# Altium PCB RFID final_backup.PcbDoc (part 3 of 4)
Units mil, origin at the board's own origin, x right, y up, seen from the top; angles counter-clockwise.
Board outline 3215.77 x 4275.01 mil, 6 copper layers (Top Layer, RF_Ground, Power, Gnd, Routing, Bottom_Gnd), stack 29.392 mil thick; 305 components, 201 nets, 970 pads, 737 vias.
Unrouted connection lines stored in the file: 2.
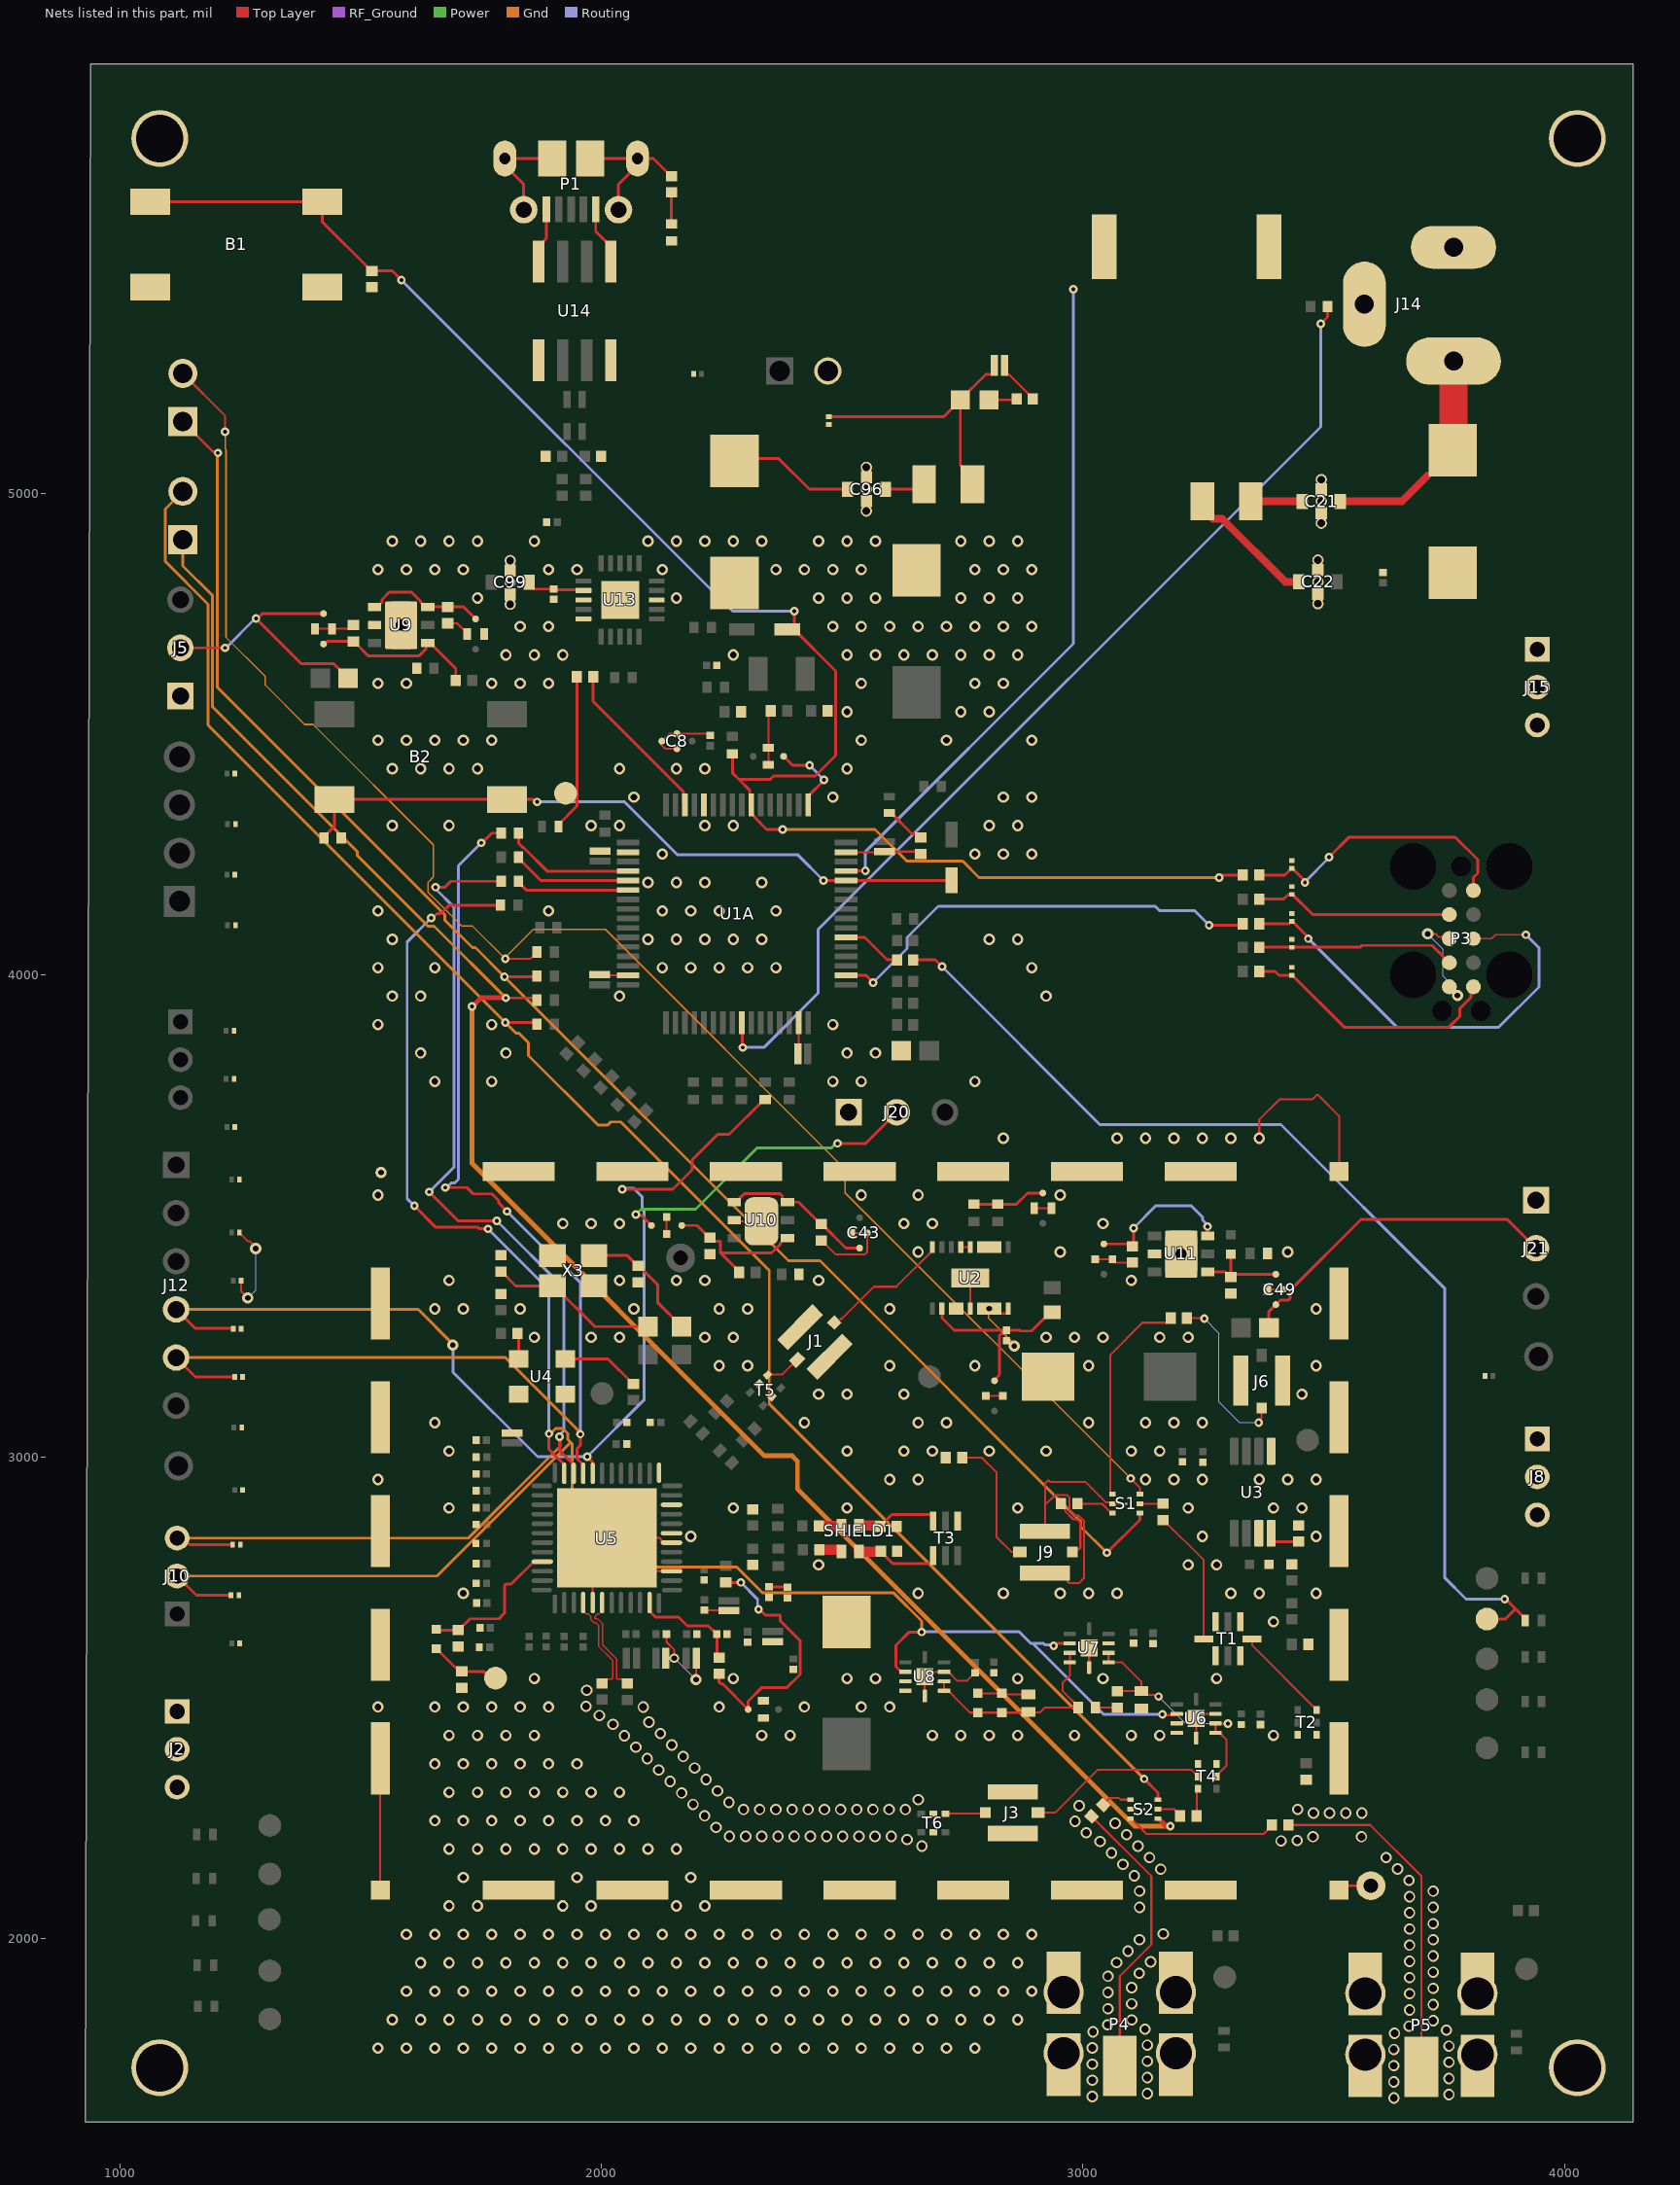
[diagram p7: the nets of this part, all layers, seen from the top]

## Via types
v1: diameter 23.62, hole 13.78, Top Layer to Bottom_Gnd, 278 vias
v2: diameter 17.72, hole 7.87, Top Layer to Bottom_Gnd, tented both sides, 175 vias
v3: diameter 23.62, hole 13.78, Top Layer to Bottom_Gnd, tented both sides, 151 vias
v4: diameter 23.62, hole 15.75, Top Layer to Bottom_Gnd, tented both sides, 124 vias
v5: diameter 23.62, hole 11.81, Top Layer to Bottom_Gnd, tented both sides, 7 vias
v6: diameter 21.65, hole 11.81, Top Layer to Bottom_Gnd, tented both sides, 1 vias
v7: diameter 19.68, hole 11.81, Top Layer to Bottom_Gnd, tented both sides, 1 vias

## Nets (pads, with @x,y where several pads share a name; then routed paths per layer and width w, separated by ;. In a path a pad name is that pad's centre, name@x,y a point inside that pad or via, vN(x,y) a via of type N, cw(c..) or ccw(c..) an arc to the next point about the centre after c; other vN are vias at no path point) (continued)
GND: B1.3 B1.4 BZ1.2 C1.2 C3.2 C6.1 C7.2 C8.1 C8.2 C9.1 C10.1 C11.2 C12.1 C13.1 C14.2 C15.1 C17.1 C18.1 C19.1 C20.2 C21.2 C21.2_1 C21.2_2 C21.2_3 C21.2_4 C22.2 C22.2_1 C22.2_2 C22.2_3 C22.2_4 C23.2 C24.1 C25.1 C26.1 C27.1 C28.1 C29.1 C30.1 C31.1 C32.2 C33.1 C34.1 C38.1 C40.1 C42.1 C43.2 C44.1 C46.1 C48.1 C49.2 C50.1 C52.1 C53.1 C55.1 C56.1 C57.2 C58.1 C59.1 C60.1 C61.1 C62.1 C63.1 C64.1 C66.1 C67.1 C68.1 C69.1 C70.1 C71.1 C72.1 C73.1 C74.1 C75.1 C76.1 C77.1 C78.1 C85.1 C86.1 C87.1 C88.1 C89.1 C90.1 C92.2 C95.1 C96.2 C96.2_1 C96.2_2 C96.2_3 C96.2_4 C98.1 C99.2 C99.2_1 C99.2_2 C99.2_3 C99.2_4 C101.1 C102.1 C103.1 C105.1 C106.2 C110.2 C111.2 D20.1 D21.1 D22.2 D23.2 D24.2 D25.2 D26.2 D27.2 D28.2 D29.2 D30.2 D31.2 D32.2 D33.2 D34.2 D35.2 D36.2 D37.2 D38.2 D45.2 D47.2 D48.2 D49.2 D50.2 D52.2 FB3.2 J1.G1 J1.G2 J2.1 J2.2 J2.3 J3.G1 J3.G2 J5.1 J6.G1 J6.G2 J8.1 J8.2 J8.3 J9.G1 J9.G2 J14.2 J15.1 J15.2 J15.3 J20.1 J21.1 L11.1 L12.1 P3.3 P3.5 P4.S1 P4.S2 P4.S3 P4.S4 P4.S5 P4.S6 P4.S7 P4.S8 P5.S1 P5.S2 P5.S3 P5.S4 P5.S5 P5.S6 P5.S7 P5.S8 pad.2 pad.4 pad.6 pad.9 pad.11 pad.12 pad.13 pad.15 pad.16 pad.17 pad.18 pad.19 pad.31 pad.38 pad.E.P. pad.MH1 pad.MH2 pad.MH3 pad.MH4 R16.1 R22.1 R23.1 R25.1 R26.1 R27.2 R29.2 R31.2 R35.1 R45.1 R81.1 R86.1 R89.1 S1.5 S1.7 S2.5 S2.7 SHIELD1.S1 SHIELD1.S2 SHIELD1.S3 SHIELD1.S4 SHIELD1.S5 SHIELD1.S6 SHIELD1.S7 SHIELD1.S8 SHIELD1.S9 SHIELD1.S10 SHIELD1.S11 SHIELD1.S12 SHIELD1.S13 SHIELD1.S14 SHIELD1.S16 SHIELD1.S17 SHIELD1.S18 SHIELD1.S19 SHIELD1.S20 SHIELD1.S21 SHIELD1.S22 SHIELD1.S23 SHIELD1.S24 SHIELD1.S25 SHIELD1.S26 SHIELD1.S27 SHIELD1.S28 T1.1 T1.3 T1.5 T1.7 T2.3 T2.4 T3.1 T4.3 T4.4 T5.2 T5.5 T6.2 T6.5 U1A.12 U1A.18 U1A.31 U1A.47 U1A.63 U2.3 U2.4 U2.5 U2.6 U2.8 U2.9 U2.10 U2.14 U3.3 U3.5 U4.1 U4.2 U5.5 U5.15 U5.18 U5.19 U5.22 U5.25 U5.49 U6.3 U6.8 U6.9 U6.10 U6.11 U7.3 U7.10 U7.11 U8.3 U8.8 U8.9 U8.10 U8.11 U9.2 U9.E.P. U9.E.P.1 U9.GND_VIA U10.2 U11.2 U11.E.P. U11.E.P.1 U11.GND_VIA U13.3 U13.13 U13.15 U13.21 U14.5 X3.2 X3.4 | length 4522.1
  Top Layer w4.23: D34.2@1247.4,3465.94 1247.4,3464.82 1264.38,3447.84 1268.19,3447.84 1281.48,3434.56 v5(1281.48,3432.48) ; D35.2@1251.14,3365.94 1251.14,3343.86 v5(1265,3330) ; pad.18@1404.53,4719.49 pad.19@1439.96,4719.49 1476.38,4719.49 C40.1@1484.25,4727.36 ; SHIELD1.S9@1540,2099.87 SHIELD1.S10@1540,2373.5 ; C38.1@1680.12,4731.02 1700.08,4731.02 pad.2@1722.44,4708.66 ; U5.5@1981.5,2697.08 1981.5,2801.81 U5.49@2011.02,2831.34 ; C28.1@1996,4001 1997.2,3999.8 U1A.31@2054.88,3999.8 ; SHIELD1.S17@2063.62,3592 SHIELD1.S17@2064,3592 ; C88.1@2133.39,2581.69 v7(2150.59,2581.69) 2150.59,2599.41 2134.61,2615.39 C89.1@2134.61,2631.34 ; pad.13@2135,3462.54 pad.15@2135,3497.97 ; U5.15@2145.28,2762.44 2079.92,2762.44 U5.49@2011.02,2831.34 ; U5.18@2145.28,2821.5 2129,2821.5 2123.5,2827 2123.5,2828.35 2120.51,2831.34 U5.49@2011.02,2831.34 ; C8.2@2156.5,4470.47 2131.89,4470.47 2124.02,4478.35 2124.02,4485.24 C8.1@2125,4486.22 2140.38,4501.6 2156.13,4501.6 C8.2@2156.5,4501.97 2221.46,4501.97 C26.1@2225.39,4498.03 ; v5(2196,2537) 2196.38,2537.38 C86.1@2196.38,2581.69 ; C66.1@2213.31,2681.28 2263.37,2681.28 C67.1@2264.31,2680.35 ; U10.2@2275.88,3491.39 2278.28,3489 pad.E.P.@2332,3489 ; pad.4@2346.46,4438.98 2346.46,4544.29 C9.1@2351.38,4549.21 ; C29.1@2407.64,3836.97 2409.21,3838.54 U1A.47@2409.21,3901.38 ; C42.1@2456.02,3449.33 2457.2,3449.33 2486.68,3419.86 2546.22,3419.86 2551.77,3425.41 2551.77,3461.48 C43.2@2555.13,3464.84 ; U1A.63@2507.64,4255.71 2586.38,4255.71 C31.1@2587.64,4256.97 2657.64,4256.97 R81.1@2662.64,4251.97 ; pad.6@2518.31,3464.84 C43.2@2551.77,3464.84 ; SHIELD1.S19@2536.06,3592 SHIELD1.S19@2536.06,3595.94 ; U8.10@2671.26,2502.95 U8.11@2671.26,2543.31 2681.1,2553.15 U8.3@2711.61,2553.15 2720.28,2553.15 2738.4,2535.03 2759.28,2535.03 2775.43,2551.18 C18.1@2775.63,2551.18 ; T3.1@2739.59,2866 T3.1@2739.59,2878.8 ; U2.10@2746.34,3435.12 U2.9@2766.02,3435.12 ; SHIELD1.S20@2757.55,3592 2821.43,3592 SHIELD1.S20@2839,3609.57 ; U2.4@2766.02,3307.56 U2.14@2766.02,3371.34 ; R35.1@2781.69,2508.7 2831.53,2508.7 R26.1@2831.69,2508.86 2833.9,2506.65 L12.1@2886.69,2506.65 ; pad.11@2798.31,3126.34 pad.12@2833.74,3126.34 ; U2.5@2809.26,3297.47 2805.39,3301.33 v6(2805.39,3307.56) 2815.49,3297.47 2841.56,3297.47 2844.76,3300.67 U2.6@2844.76,3307.56 ; C98.1@2836.71,5267 2836.71,5252.83 2842.08,5247.46 2846.73,5247.46 2896.01,5198.18 R86.1@2896.01,5197 ; C105.1@2841.02,3241.34 2841.22,3241.34 2852.56,3230 v5(2857.24,3230) ; pad.2@2900.75,3516.18 pad.4@2932.24,3516.18 ; J9.G1@2920.95,2758.69 J9.G1@2925,2754.64 ; J9.G2@2920.95,2845.31 2920.95,2899.44 ; SHIELD1.S21@2945.73,3574.43 2963.3,3592 SHIELD1.S21@3008.5,3592 ; J9.G1@2955,2759.09 2967.9,2746.19 2967.9,2740.62 2971.19,2737.33 2991.19,2737.33 3002.2,2748.34 3002.2,2866.58 2991.28,2877.5 2983.14,2877.5 2972.22,2888.42 2972.22,2915.17 2967.4,2919.98 2941.49,2919.98 2920.95,2899.44 ; U7.10@3012.8,2562.01 U7.11@3012.8,2602.36 ; pad.16@3025.59,3410.43 pad.17@3061.02,3410.43 3068.19,3403.27 C46.1@3102.36,3403.27 ; S1.7@3089.57,2902.56 S1.5@3061.02,2902.56 3058.52,2905.06 3047.8,2905.06 3004.86,2948 2932,2948 2929.75,2950.25 2926.57,2950.25 2920.95,2944.63 2920.95,2899.44 ; S2.5@3098.46,2268 S2.7@3127,2268 ; U6.10@3235,2415.65 U6.11@3235,2456 3244.84,2465.84 U6.3@3275.35,2465.84 ; v3(3366.14,3661.42) 3366.14,3700.18 3408.32,3742.36 3476.36,3742.36 3485.25,3751.25 3488.75,3751.25 3532.13,3707.87 SHIELD1.S23@3532.13,3592 ; pad.9@3382.87,3347.44 C49.2@3416.34,3347.44 ; SHIELD1.S1@3532.13,2099.87 3541.25,2109 pad.31@3598,2109 ; v5(3716,4086) 3732.54,4086 3739.16,4079.38 3757.62,4079.38 P3.3@3761,4076 ; P3.5@3761,3976 3761,3975.5 3778,3958.5 v5(3778,3958)
  RF_Ground w1.85: v7(2150.59,2581.69) 2150.95,2581.69 2195.64,2537 v5(2196,2537)
  Gnd w3.14: v6(2805.39,3307.56) 2803.64,3305.81 2803.64,3287.72 2857.24,3234.13 v5(2857.24,3230)
  Routing w1.85: v5(1265,3330) 1281.48,3346.48 v5(1281.48,3432.48) ; v5(3716,4086) 3748.2,4053.8 3748.2,3998.04 3773.83,3972.41 3773.83,3962.17 v5(3778,3958)
  other v1: 1535.43,1771.65 1594.49,1771.65 1653.54,1771.65 1712.6,1771.65 1771.65,1771.65 1830.71,1771.65 1889.76,1771.65 1948.82,1771.65 2007.87,1771.65 2066.93,1771.65 2125.98,1771.65 2185.04,1771.65 2244.09,1771.65 2303.15,1771.65 2362.2,1771.65 2421.26,1771.65 2480.31,1771.65 2539.37,1771.65 2598.42,1771.65 2657.48,1771.65 2716.53,1771.65 2775.59,1771.65 1564.96,1830.71 1624.02,1830.71 1683.07,1830.71 1742.13,1830.71 1801.18,1830.71 1860.24,1830.71 1919.29,1830.71 1978.35,1830.71 2037.4,1830.71 2096.46,1830.71 2155.51,1830.71 2214.57,1830.71 2273.62,1830.71 2332.68,1830.71 2391.73,1830.71 2450.79,1830.71 2509.84,1830.71 2568.9,1830.71 2627.95,1830.71 2687.01,1830.71 2746.06,1830.71 2805.12,1830.71 2864.17,1830.71 1594.49,1889.76 1653.54,1889.76 1712.6,1889.76 1771.65,1889.76 1830.71,1889.76 1889.76,1889.76 1948.82,1889.76 2007.87,1889.76 2066.93,1889.76 2125.98,1889.76 2185.04,1889.76 2244.09,1889.76 2303.15,1889.76 2362.2,1889.76 2421.26,1889.76 2480.31,1889.76 2539.37,1889.76 2598.42,1889.76 2657.48,1889.76 2716.53,1889.76 2775.59,1889.76 2834.64,1889.76 2893.7,1889.76 1624.02,1948.82 1683.07,1948.82 1742.13,1948.82 1801.18,1948.82 1860.24,1948.82 1919.29,1948.82 1978.35,1948.82 2037.4,1948.82 2096.46,1948.82 2155.51,1948.82 2214.57,1948.82 2273.62,1948.82 2332.68,1948.82 2391.73,1948.82 2450.79,1948.82 2509.84,1948.82 2568.9,1948.82 2627.95,1948.82 2687.01,1948.82 2746.06,1948.82 2805.12,1948.82 2864.17,1948.82 1594.49,2007.87 1653.54,2007.87 1712.6,2007.87 1771.65,2007.87 1830.71,2007.87 1889.76,2007.87 1948.82,2007.87 2007.87,2007.87 2066.93,2007.87 2125.98,2007.87 2185.04,2007.87 2244.09,2007.87 2303.15,2007.87 2362.2,2007.87 2421.26,2007.87 2480.31,2007.87 2539.37,2007.87 2598.42,2007.87 2657.48,2007.87 2716.53,2007.87 2775.59,2007.87 2834.64,2007.87 2893.7,2007.87 1683.07,2066.93 1742.13,2066.93 1919.29,2066.93 1978.35,2066.93 2155.51,2066.93 2214.57,2066.93 1712.6,2125.98 1948.82,2125.98 2185.04,2125.98 1683.07,2185.04 1742.13,2185.04 1801.18,2185.04 1860.24,2185.04 1919.29,2185.04 1978.35,2185.04 2037.4,2185.04 2096.46,2185.04 2155.51,2185.04 1653.54,2244.09 1712.6,2244.09 1771.65,2244.09 1830.71,2244.09 1889.76,2244.09 1948.82,2244.09 2007.87,2244.09 2066.93,2244.09 1683.07,2303.15 1742.13,2303.15 1801.18,2303.15 1860.24,2303.15 1919.29,2303.15 1978.35,2303.15 2037.4,2303.15 1653.54,2362.2 1712.6,2362.2 1771.65,2362.2 1830.71,2362.2 1889.76,2362.2 1948.82,2362.2 1683.07,2421.26 1742.13,2421.26 1801.18,2421.26 1860.24,2421.26 2332.68,2421.26 2391.73,2421.26 2687.01,2421.26 2746.06,2421.26 2805.12,2421.26 2864.17,2421.26 2982.28,2421.26 3100.39,2421.26 3159.45,2421.26 3395.67,2421.26 1535.43,2480.31 1653.54,2480.31 1712.6,2480.31 1771.65,2480.31 1830.71,2480.31 1889.76,2480.31 2244.09,2480.31 2421.26,2480.31 2539.37,2480.31 2598.42,2480.31 1860.24,2539.37 2273.62,2539.37 2509.84,2539.37 2568.9,2539.37 2864.17,2539.37 3041.34,2539.37 3277.56,2539.37 3395.67,2657.48 1712.6,2716.53 2657.48,2716.53 2834.64,2716.53 2952.76,2716.53 3011.81,2716.53 3070.87,2716.53 3307.09,2716.53 3366.14,2716.53 3484.25,2716.53 2450.79,2775.59 3218.5,2775.59 3277.56,2775.59 2185.04,2834.64 3248.03,2834.64 3484.25,2834.64 1683.07,2893.7 2273.62,2893.7 2509.84,2893.7 2864.17,2893.7 3218.5,2893.7 3395.67,2893.7 3454.72,2893.7 1535.43,2952.76 2598.42,2952.76 2657.48,2952.76 3129.92,2952.76 3188.98,2952.76 3248.03,2952.76 3366.14,2952.76 3425.2,2952.76 3484.25,2952.76 1683.07,3011.81 2509.84,3011.81 2627.95,3011.81 2687.01,3011.81 2805.12,3011.81 2923.23,3011.81 3100.39,3011.81 3159.45,3011.81 1653.54,3070.87 2421.26,3070.87 2657.48,3070.87 2716.53,3070.87 3011.81,3070.87 3129.92,3070.87 3188.98,3070.87 3248.03,3070.87 2450.79,3129.92 2509.84,3129.92 2627.95,3129.92 3454.72,3129.92 2244.09,3188.98 2303.15,3188.98 2598.42,3188.98 2775.59,3188.98 3011.81,3188.98 3484.25,3188.98 1860.24,3248.03 1978.35,3248.03 2037.4,3248.03 2214.57,3248.03 2273.62,3248.03 2923.23,3248.03 2982.28,3248.03 3041.34,3248.03 3159.45,3248.03 3218.5,3248.03 1653.54,3307.09 1712.6,3307.09 1830.71,3307.09 2066.93,3307.09 2244.09,3307.09 2303.15,3307.09 2598.42,3307.09 3484.25,3307.09 1683.07,3366.14 2037.4,3366.14 2155.51,3366.14 2214.57,3366.14 2450.79,3366.14 3100.39,3366.14 2657.48,3425.2 2952.76,3425.2 3425.2,3425.2 1919.29,3484.25 1978.35,3484.25 2037.4,3484.25 2627.95,3484.25 2687.01,3484.25 3041.34,3484.25 1535.43,3543.31 2539.37,3543.31 2657.48,3543.31 2952.76,3543.31
  other v3: 2834.64,3661.42 3070.87,3661.42 3129.92,3661.42 3188.98,3661.42 3248.03,3661.42 3307.09,3661.42 1653.54,3779.53 1771.65,3779.53 2480.31,3779.53 2539.37,3779.53 2775.59,3779.53 1624.02,3838.58 1801.18,3838.58 2509.84,3838.58 2568.9,3838.58 1535.43,3897.64 1771.65,3897.64 2480.31,3897.64 1564.96,3956.69 1624.02,3956.69 2037.4,3956.69 2923.23,3956.69 1535.43,4015.75 1653.54,4015.75 2125.98,4015.75 2185.04,4015.75 2244.09,4015.75 2303.15,4015.75 2362.2,4015.75 2893.7,4015.75 1564.96,4074.8 2096.46,4074.8 2155.51,4074.8 2214.57,4074.8 2273.62,4074.8 2332.68,4074.8 2805.12,4074.8 2864.17,4074.8 1535.43,4133.86 1889.76,4133.86 2125.98,4133.86 2185.04,4133.86 2244.09,4133.86 2362.2,4133.86 2096.46,4192.91 2155.51,4192.91 2214.57,4192.91 2332.68,4192.91 2125.98,4251.97 2775.59,4251.97 2834.64,4251.97 2893.7,4251.97 1564.96,4311.02 1683.07,4311.02 1978.35,4311.02 2037.4,4311.02 2214.57,4311.02 2273.62,4311.02 2805.12,4311.02 2864.17,4311.02 2066.93,4370.08 2480.31,4370.08 2834.64,4370.08 2893.7,4370.08 1564.96,4429.13 1624.02,4429.13 1683.07,4429.13 1742.13,4429.13 2037.4,4429.13 2155.51,4429.13 2214.57,4429.13 2509.84,4429.13 1535.43,4488.19 1594.49,4488.19 1653.54,4488.19 1712.6,4488.19 1771.65,4488.19 2539.37,4488.19 2716.53,4488.19 2893.7,4488.19 2509.84,4547.24 2746.06,4547.24 2805.12,4547.24 1535.43,4606.3 1594.49,4606.3 1771.65,4606.3 1830.71,4606.3 1889.76,4606.3 2539.37,4606.3 2775.59,4606.3 2834.64,4606.3 1801.18,4665.35 1860.24,4665.35 1919.29,4665.35 2273.62,4665.35 2509.84,4665.35 2568.9,4665.35 2627.95,4665.35 2687.01,4665.35 2746.06,4665.35 2805.12,4665.35 2864.17,4665.35 1830.71,4724.41 1889.76,4724.41 2480.31,4724.41 2539.37,4724.41 2598.42,4724.41 2657.48,4724.41 2716.53,4724.41 2775.59,4724.41 2834.64,4724.41 2893.7,4724.41 1742.13,4783.46 2155.51,4783.46 2450.79,4783.46 2509.84,4783.46 2568.9,4783.46 2746.06,4783.46 2805.12,4783.46 2864.17,4783.46 1535.43,4842.52 1594.49,4842.52 1653.54,4842.52 1712.6,4842.52 1889.76,4842.52 1948.82,4842.52 2125.98,4842.52 2362.2,4842.52 2421.26,4842.52 2480.31,4842.52 2539.37,4842.52 2775.59,4842.52 2834.64,4842.52 2893.7,4842.52 1564.96,4901.57 1624.02,4901.57 1683.07,4901.57 1742.13,4901.57 1860.24,4901.57 2096.46,4901.57 2155.51,4901.57 2214.57,4901.57 2273.62,4901.57 2332.68,4901.57 2450.79,4901.57 2509.84,4901.57 2568.9,4901.57 2746.06,4901.57 2805.12,4901.57 2864.17,4901.57
  other v4: 3646.06,1668.08 3019.4,1671.24 3760.23,1675.1 3133.7,1677.1 3645.67,1701.7 3019.14,1704.86 3760.23,1708.72 3133.7,1710.72 3645.67,1735.32 3019.14,1738.48 3760.23,1742.34 3133.7,1744.34 3645.67,1768.95 3019.14,1772.1 3760.23,1775.96 3133.7,1777.96 3647.13,1802.54 3020.72,1805.69 3754.89,1809.16 3128.7,1811.21 3677.28,1817.43 3051.14,1819.99 3727.48,1828.62 3100.94,1830.19 3678.43,1851.04 3051.89,1853.61 3727.48,1862.24 3100.94,1863.81 3678.43,1884.66 3051.89,1887.23 3727.48,1895.86 3100.94,1897.43 3678.43,1918.28 3051.89,1920.85 3116.78,1927.09 3727.48,1929.48 3069.69,1949.38 3140.55,1950.87 3678.43,1951.9 3727.48,1963.11 3093.47,1973.15 3678.43,1985.52 3117.24,1996.92 3727.48,1996.73 3166.53,2009.08 3678.43,2019.15 3727.48,2030.35 3678.43,2052.77 3117.47,2064.17 3727.48,2063.97 3678.43,2086.39 3117.47,2097.79 3727.48,2097.59 3677.32,2119.99 3106.64,2129.62 3161.42,2143.17 3653.55,2143.77 3082.87,2153.39 3138.17,2167.46 3629.77,2167.54 3059.1,2177.17 2665.32,2191.15 3114.4,2191.23 3035.32,2200.94 3411.39,2202.12 3445.01,2202.71 2634.73,2205.09 2299.11,2211.45 2332.74,2211.45 2366.36,2211.45 2399.98,2211.45 2433.6,2211.45 2467.22,2211.45 2500.85,2211.45 2534.47,2211.45 2568.09,2211.45 2601.71,2211.45 3477.67,2210.71 3578.53,2210.71 2265.49,2211.61 3090.62,2215.01 3006.87,2218.85 2237.55,2230.31 3066.85,2238.78 2983.24,2242.78 2213.78,2254.09 3478.57,2259.76 3512.19,2259.76 3545.81,2259.76 3579.44,2259.76 2294.67,2267.29 2328.29,2267.29 2361.92,2267.29 2395.54,2267.29 2429.16,2267.29 2462.78,2267.29 2496.4,2267.29 2530.03,2267.29 2563.65,2267.29 2597.27,2267.29 2630.89,2267.29 3445.87,2267.59 2992.07,2275.22 2190,2277.86 2264.57,2282.26 2657.69,2287.59 2166.23,2301.64 2240.79,2306.03 2142.45,2325.41 2217.02,2329.81 2118.68,2349.19 2193.24,2353.58 2094.9,2372.96 2169.47,2377.35 2071.13,2396.73 2145.69,2401.13 2047.36,2420.51 2121.92,2424.9 2023.58,2444.28 2098.15,2448.68 1995.42,2462.64 2086.41,2480.18 1967.6,2481.53 1968.95,2515.13
IN_N: C94.2 U5.6 | length 213.9
  Top Layer w3.05: U5.6@2001.18,2697.08 2001.18,2679.78 1994.42,2673.02 1990.68,2673.02 1985.52,2667.87 1985.52,2665.34 1987.92,2662.94 1992.16,2662.94 2001.55,2653.55 2001.55,2609.92 2031.24,2580.24 2031.24,2539.71 2033.03,2537.92 2044.05,2537.92 C94.2@2053.15,2528.82
IN_P: C93.2 U5.4 | length 213.9
  Top Layer w3.05: U5.4@1961.81,2697.08 1961.81,2679.78 1968.58,2673.02 1972.32,2673.02 1977.47,2667.87 1977.47,2662 1984.58,2654.89 1988.83,2654.89 1993.5,2650.22 1993.5,2606.59 2023.19,2576.9 2023.19,2539.71 2021.4,2537.92 2009.38,2537.92 C93.2@2000.98,2529.53
intPA: D2.C intPA.TP? R15.2 | length 2261.3
  Top Layer w5.91: R15.2@2647.64,4031.97 2693.03,4031.97 v2(2707,4018) ; intPA.TP?@3839.17,2662.91 3877.27,2662.91 3898.32,2683.96 ; v2(3876,2704) 3878.27,2704 3898.32,2683.96 ; D2.C@3918.36,2659.96 3918.36,2663.91 3898.32,2683.96
  Routing w5.91: v2(2707,4018) 3035,3690 3411,3690 3751,3350 3751,2749 3796,2704 v2(3876,2704)
intPA_LED: R15.1 U1A.54 | length 125.3
  Top Layer w5.91: U1A.54@2507.64,4078.54 2546.65,4078.54 2593.23,4031.97 R15.1@2613.62,4031.97
IRQ: D36.1 J12.4 R12.1 U5.32 | length 2214.2
  Top Layer w5.91: J12.4@1116.14,3305.94 1155.01,3267.07 1233.75,3267.07 D36.1@1234.88,3265.94 ; v2(1970,3000) 1980.82,2989.18 1980.82,2966.27 U5.32@1981.5,2965.6 ; v2(2043,3555.74) 2147.74,3555.74 2188.14,3596.14 2188.14,3616.56 2241.15,3669.58 2265.13,3669.58 2337.4,3741.85 R12.1@2339.57,3741.85
  Gnd w5.91: J12.4@1116.14,3305.94 1618.94,3305.94 1691,3233.89 v5(1691,3232)
  Routing w5.91: v5(1691,3232) 1691,3176.03 1867.03,3000 v2(1970,3000) 2087.81,3117.81 2087.81,3509.96 2083.97,3513.8 2083.97,3539.84 2065.81,3558 2059.91,3558 2045.26,3558 v2(2043,3555.74)
LF_CEXT: C56.2 R33.2 U5.45 | length 314.2
  Top Layer w5.91: R33.2@1656.99,2641.73 R33.2@1656.5,2641.73 1658.22,2640.01 C56.2@1702,2640.01 1703.18,2640.01 1726.61,2663.44 1786.64,2663.44 1798,2674.8 1798,2732.54 1801.46,2736 1812.7,2736 1858.82,2782.13 U5.45@1876.76,2782.13
LP_FILTER_IN: C109.1 T1.8 | length 282.5
  Top Layer w4.23: C109.1@3166.34,2868.54 3167.52,2868.54 3250.83,2785.24 T1.8@3250.83,2621.77
LP_FILTER_OUT: T1.4 T2.6 | length 203.7
  Top Layer w4.23: T1.4@3351.22,2621.77 3351.22,2608.54 3479.81,2479.96 3480.62,2479.96 3485,2475.57 T2.6@3485,2474
MCU: "MCU OK.TP?" D1.C R14.2 | length 326.8
  Top Layer w5.91: D1.C@1910.43,4309.06 1910.43,4313.01 1948.54,4351.12 R14.2@1948.54,4620.08
"MCU LED": R14.1 U1A.14 | length 344.8
  Top Layer w5.91: R14.1@1982.56,4620.08 1982.56,4568.44 2170.04,4380.96 2170.04,4357.09 U1A.14@2172.99,4354.13
MISO: D24.1 J10.3 R9.1 U5.34 | length 2590.1
  Top Layer w5.91: J10.3@1118.19,2831.02 1130.44,2831.02 1144.18,2817.28 D24.1@1233.19,2817.28 ; v2(1642.02,3549.98) 1702,3490 v2(1782,3490) ; v2(1655.19,4183) 1674.5,4183 1686.78,4195.28 R9.1@1791.34,4195.28 ; v2(1912.59,3041.82) 1912.59,3012.82 1942.13,2983.29 U5.34@1942.13,2965.6
  Gnd w5.91: J10.3@1118.19,2831.02 1723.25,2831.02 1913.38,3021.15 1913.38,3041.04 v2(1912.59,3041.82)
  Routing w5.91: v2(1642.02,3549.98) 1642.13,3549.98 1693.02,3600.87 1693.02,4141.97 1655.19,4179.8 v2(1655.19,4183) ; v2(1782,3490) 1922,3350 1922,3054.42 1912.59,3045.02 v2(1912.59,3041.82)
MOSI: D23.1 J10.2 R11.1 U5.35 U6.7 U7.7 U8.7 | length 4469.1
  Top Layer w5.91: J10.2@1118.19,2752.28 1158.19,2712.28 D23.1@1230.06,2712.28 ; v2(1611,3521) 1655.63,3476.37 1743.16,3476.37 1746.11,3473.42 1763.6,3473.42 v2(1763.83,3473.19) ; v2(1645.78,4119) 1648.98,4119 1657.99,4128.01 1666.01,4128.01 1683.67,4145.67 R11.1@1790.08,4145.67 ; v2(1890.71,3047.92) 1890.71,3015.02 1922.44,2983.29 U5.35@1922.44,2965.6 ; U8.7@2630.91,2553.15 2622.24,2553.15 2611.46,2563.93 2611.46,2608.24 2639.23,2636 v2(2665,2636) ; v2(2939,2607.28) 2942.2,2607.28 2947.12,2612.2 U7.7@2972.44,2612.2 ; v2(3165,2465) 3166.63,2463.37 3195.63,2463.37 3194.65,2464.35 U6.7@3194.65,2465.84
  Gnd w5.91: J10.2@1118.19,2752.28 1657.81,2752.28 1935.54,3030.01 ; v2(1890.71,3047.92) 1893.91,3047.92 1904.62,3058.63 1919.56,3058.63 1929.41,3048.78 1929.41,3036.14 1935.54,3030.01 ; v2(2665,2636) 2665,2658.8 2606.8,2717 2334.77,2717 2280.77,2771 2044,2771 1938.81,2876.19 1938.81,3026.74 1935.54,3030.01
  Routing w5.91: v2(1611,3521) 1596,3536 1596,4069.22 v2(1645.78,4119) ; v2(1763.83,3473.19) 1890.71,3346.3 v2(1890.71,3047.92) ; v2(2665,2636) 2666,2637 2866.92,2637 2891.92,2612 2896.06,2612 ; v2(2939,2607.28) 2937.24,2609.05 2921.28,2609.05 2918.33,2612 2896.06,2612 ; v2(3165,2465) 3043.06,2465 2896.06,2612
NCS: D37.1 J12.5 R7.1 U5.33 | length 2618
  Top Layer w5.91: J12.5@1116.14,3205.94 1156.14,3165.94 D37.1@1238.01,3165.94 ; v2(1675.04,3559.12) 1720.17,3559.12 1733.29,3546 1772,3546 1786.7,3531.3 1786.7,3526.63 v2(1803.67,3509.67) ; v2(1750,4275) 1751.65,4275 1771.93,4295.28 R7.1@1791.34,4295.28 ; v2(1955.62,3047) 1955.62,3023.26 1949,3016.64 1949,2996.1 1961.81,2983.29 U5.33@1961.81,2965.6
  Gnd w5.91: J12.5@1116.14,3205.94 1800.13,3205.94 1948.22,3057.86 1948.22,3057.6 1955.62,3050.2 v2(1955.62,3047)
  Routing w5.91: v2(1675.04,3559.12) 1678.24,3559.12 1687.82,3568.7 1694.7,3568.7 1702.43,3576.43 1702.43,4227.43 v2(1750,4275) ; v2(1803.67,3509.67) 1878.44,3434.89 1883.11,3434.89 1955.62,3362.38 v2(1955.62,3047)
NetB1_1: B1.1 B1.2 C25.2 D9.A R5.1 R61.1 U1A.7 | length 3509.7
  Top Layer w5.91: B1.2@1061.87,5606.58 B1.1@1420.13,5606.58 1420.13,5564.2 1521.46,5462.87 C25.2@1522.64,5462.87 1540.87,5462.87 1541,5463 1565,5463 v2(1584,5444) ; R61.1@2271.65,4460.24 2271.65,4420.35 2285,4407 ; v2(2376,4303) 2342.95,4303 2317.92,4328.04 2317.92,4329.29 2310.79,4336.42 U1A.7@2310.79,4354.13 2307.83,4357.09 2307.83,4384.17 2285,4407 ; D9.A@2385.83,4718.5 D9.A@2390.16,4718.5 ; v2(2400,4756) 2400,4728.35 D9.A@2390.16,4718.5 ; v2(3283,4203) 3286.2,4203 3291.35,4208.15 R5.1@3331.85,4208.15 ; 2285,4407 2350.23,4407 2357.04,4413.81 2443.81,4413.81 2486.14,4456.14 2486.14,4631.97 2399.61,4718.5 D9.A@2390.16,4718.5
  Gnd w5.91: v2(2376,4303) 2568,4303 2634,4237 2750,4237 2784,4203 v2(3283,4203)
  Routing w5.91: v2(1584,5444) 2272,4756 v2(2400,4756)
NetB2_1: B2.1 B2.2 D10.C R16.2 U1A.60 | length 1441
  Top Layer w5.91: R16.2@1423.23,4285.43 1423.23,4287.6 1444.88,4309.25 B2.1@1444.88,4365.16 B2.2@1803.15,4365.16 1857.65,4365.16 1862.8,4360 v2(1866,4360) ; v2(2461,4197) 2461.17,4196.83 2507.46,4196.83 U1A.60@2507.64,4196.65 2726.14,4196.65 D10.C@2727,4197.51
  Routing w5.91: v2(1866,4360) 2048,4360 2158,4250 2408,4250 v2(2461,4197)
NetBZ1_1: BZ1.1 U1A.61 | length 1429
  Top Layer w5.91: U1A.61@2507.64,4216.34 2507.97,4216.67 2547.67,4216.67 v2(2548,4217) ; v2(2980,5425) v2@2981,5426
  Routing w5.91: v2(2548,4217) 2548,4256.7 2980,4688.7 v2(2980,5425)
NetC2_3: C2.3 U1A.1 | length 169.8
  Top Layer w5.91: C2.3@2377.95,4454.72 2396.68,4436 v2(2432,4436) ; U1A.1@2428.9,4354.13 2428.9,4371.85 2462,4404.95 v2(2462,4406)
  Routing w5.91: v2(2432,4436) v2(2462,4406)
NetC4_2: C4.2 L15.1 | length 47.6
  Top Layer w5.91: L15.1@2494,2807 L15.1@2498,2803
  Top Layer w21.65: C4.2@2452.01,2807 L15.1@2494,2807
NetC5_2: C5.2 L10.2 | length 47.4
  Top Layer w5.91: L10.2@2497,2856 L10.2@2498,2857
  Top Layer w21.65: C5.2@2451.01,2856 L10.2@2497,2856
NetC6_2: C6.2 L15.2 T3.4 | length 179.6
  Top Layer w5.91: C6.2@2579.99,2804 2579.99,2802.82 2605.22,2777.59 2606.03,2778.4 2684.47,2778.4 2688.41,2782.34 T3.4@2688.41,2795.13
  Top Layer w21.65: L15.2@2534.22,2803 C6.2@2578.99,2803
NetC7_1: C7.1 L10.1 T3.3 | length 177.7
  Top Layer w5.91: C7.1@2577,2857 C7.1@2578,2856 ; C7.1@2579,2855 C7.1@2578,2856 ; T3.3@2688.41,2866 2688.41,2876.06 2684.47,2880 2602.82,2880 2578.82,2856 C7.1@2578,2856
  Top Layer w21.65: L10.1@2534.22,2857 C7.1@2577,2857
NetC12_2: C12.2 C14.1 | length 38.4
  Top Layer w5.91: C12.2@2348,2730.13 2348.53,2729.59 2385.47,2729.59 C14.1@2386,2729.06
NetC13_2: C13.2 FB5.1 U5.11 | length 227.7
  Top Layer w5.91: U5.11@2099.61,2697.08 2099.61,2679.39 2112.1,2666.89 2160.11,2666.89 2178,2649 2221.63,2649 2234.37,2636.26 2234.57,2636.26 2239.29,2631.54 C13.2@2239.29,2631.34 2239.29,2587.72 FB5.1@2244,2583.02
NetC16_3: C16.3 C105.2 R21.1 U2.2 | length 393.4
  Top Layer w5.91: U2.2@2706.97,3307.56 2706.97,3288.03 2732.24,3262.76 C105.2@2840.83,3262.76 ; C16.3@2816.02,3157.83 2816.02,3159.04 2826.7,3169.71 2826,3170.41 2826,3205 2826.7,3205.7 2826.7,3251.69 2830.48,3255.47 2833.54,3255.47 C105.2@2840.83,3262.76 ; R21.1@2936.02,3300.16 2932.09,3300.16 2893.12,3261.19 2870.04,3261.19 2868.47,3262.76 C105.2@2841.02,3262.76 C105.2@2840.83,3262.76
NetC17_2: C17.2 U3.4 | length 70.8
  Top Layer w5.91: U3.4@3390.75,2840.94 3390.75,2829.84 3397.05,2823.54 C17.2@3447.83,2823.54
NetC21_1: C21.1 C106.1 J14.1 | length 466.2
  Top Layer w5.91: 3716.43,5038.43 3720.76,5038.43 3768,5085.67 C106.1@3768,5090 C106.1@3769.69,5091.69
  Top Layer w15.75: C21.1@3534.45,4984.25 3662.25,4984.25 3716.43,5038.43
  Top Layer w59.06: C106.1@3769.69,5091.69 J14.1@3769.69,5275.59
NetC21_3: C21.3 FB2.1 | length 107.3
  Top Layer w15.75: FB2.1@3348.43,4984.25 C21.3@3455.71,4984.25
NetC22_1: C22.1 FB2.2 | length 278.5
  Top Layer w5.91: FB2.2@3248.03,4984.25 3248.03,4969.49 FB2.2@3269.68,4947.83
  Top Layer w15.75: FB2.2@3269.68,4947.83 3289.31,4947.83 3420.15,4817 C22.1@3448.63,4817
NetC23_1: C23.1 C96.1 U14.8 | length 262.6
  Top Layer w5.91: C23.1@2276,5068.77 2280.23,5073 2368,5073 2431.39,5009.61 C96.1@2510.63,5009.61
NetC30_2: C30.2 C99.3 U13.12 | length 122
  Top Layer w5.91: C99.3@1849.41,4815.94 1849.41,4812.01 1859.25,4802.17 C30.2@1900.59,4802.17 1902.07,4800.69 1960.73,4800.69 U13.12@1962.2,4799.21
NetC32_1: C32.1 J9.A | length 279.7
  Top Layer w4.23: C32.1@2749,2998 2790,2998 2820,2968 2820,2833.53 2851.15,2802.38 2868.41,2802.38 J9.A@2868.79,2802
NetC35_1: C35.1 S2.6 | length 315.9
  Top Layer w4.23: S2.6@3098.46,2248.32 3100.43,2248.32 3132.21,2216.53 3375.27,2216.53 3378.22,2219.48 3378.22,2219.56 3392.72,2234.06 C35.1@3392.72,2235.24
NetC35_2: C35.2 P5.1 | length 716.7
  Top Layer w4.23: C35.2@3426.73,2235.24 3596.76,2235.24 3702.95,2129.05 P5.1@3702.95,1732.6
NetC36_1: C36.1 S2.4 | length 64
  Top Layer w4.23: C36.1@3042.03,2277.03 3056.45,2291.45 3074.59,2291.45 3078.35,2287.69 S2.4@3098.46,2287.69
NetC36_2: C36.2 P4.1 | length 596.4
  Top Layer w4.23: C36.2@3017.97,2252.97 3142,2128.95 3142,1987 3076.42,1921.42 P4.1@3076.42,1735.16
NetC37_1: C37.1 L11.2 T4.2 U6.1 U6.2 U7.1 U7.2 | length 540.8
  Top Layer w4.23: U7.2@3053.15,2592.52 U7.1@3053.15,2572.83 3081.3,2572.83 3121.06,2533.07 L11.2@3121.06,2513.19 ; C37.1@3071,2513 3120.87,2513 L11.2@3121.06,2513.19 ; v2(3157,2502) 3153.35,2502 3150.09,2505.26 3128.99,2505.26 L11.2@3121.06,2513.19 ; T4.2@3277.49,2336 3277.49,2337.57 3298,2358.09 3298,2392.62 3298.19,2392.81 3298.19,2411.81 3288,2422 3288,2422.49 3284.02,2426.47 U6.1@3275.35,2426.47 U6.2@3275.35,2446.16 3275.43,2446.08 3300.92,2446.08 v2(3301,2446)
  Routing w1.85: v2(3157,2502) 3213,2446 v2(3301,2446)
NetC37_2: C37.2 R34.1 | length 45
  Top Layer w4.23: R34.1@3025.99,2479 C37.2@3071,2478.98
NetC38_2: C38.2 C39.3 U9.1 U9.6 | length 250.5
  Top Layer w5.91: U9.1@1528.54,4764.76 1533.46,4764.76 1543.74,4775.04 1543.74,4780.74 1559,4796 1604.67,4796 1623.58,4777.09 1623.58,4775.04 1633.86,4764.76 U9.6@1638.78,4764.76 1639.06,4765.04 C38.2@1680.12,4765.04 1713.31,4765.04 C39.3@1738.19,4740.16
NetC40_2: C40.2 C41.1 R44.2 U9.4 | length 354.3
  Top Layer w5.91: C41.1@1422.24,4687.99 1424.48,4687.99 1429.84,4693.35 C40.2@1484.25,4693.35 1484.25,4689.49 1489.29,4689.49 1515.78,4663 1620,4663 1635.15,4678.15 1635.32,4678.15 1635.32,4686.5 U9.4@1638.78,4689.96 1643.7,4689.96 1696.85,4636.81 R44.2@1696.85,4612.2
NetC41_3: C41.3 J5.2 R1.1 | length 569.6
  Top Layer w5.91: J5.2@1125,4680 v2(1218,4680) ; C41.3@1422.24,4750.98 1295.18,4750.98 1285.2,4741 v2(1282,4741) 1283.6,4739.4 1375.91,4647.09 1443.46,4647.09 1455.91,4634.65 1455.91,4634.25 1473.03,4617.13 R1.1@1473.43,4617.13
  Routing w5.91: v2(1218,4680) 1219.5,4680 1280.5,4741 v2(1282,4741)
NetC42_2: C42.2 C43.3 U10.1 U10.6 | length 319.7
  Top Layer w5.91: U10.1@2275.88,3528.8 2280.8,3528.8 2286.71,3534.7 2286.71,3536.75 2296.63,3546.67 2370.29,3546.67 2375.46,3541.5 2375.46,3534.7 2381.37,3528.8 2409.39,3528.8 2454.84,3483.35 C42.2@2456.02,3483.35 2457.2,3483.35 2507.2,3433.35 C43.3@2536.02,3433.35
NetC44_2: C44.2 C45.1 R28.2 U10.4 | length 328.2
  Top Layer w5.91: C45.1@2166.5,3480.25 2198.58,3480.25 2223.82,3455.02 C44.2@2225,3455.02 2232.68,3447.34 2247.19,3447.34 2247.19,3422.98 ; R28.2@2285.99,3383 2285.99,3384.18 2247.19,3422.98 ; U10.4@2386.12,3453.99 2381.2,3453.99 2370.92,3443.71 2370.92,3440.88 2353.02,3422.98 2247.19,3422.98
NetC45_3: C45.3 J20.2 R2.1 | length 685.5
  Top Layer w5.91: v2(2071,3503) 2073.26,3500.74 2083.02,3500.74 C45.3@2103.5,3480.25 ; v2(2489.99,3650.81) 2548.45,3650.81 J20.2@2613.19,3715.55 J20.2@2622.59,3706.15
  Power w5.91: v2(2071,3503) 2082,3514 2195.4,3514 2322.4,3641 2476.98,3641 2486.79,3650.81 v2(2489.99,3650.81)
NetC46_2: C46.2 C47.3 U11.6 | length 315.2
  Top Layer w5.91: C47.3@3043.31,3441.93 3097.72,3441.93 C46.2@3102.36,3437.28 3105,3439.92 v2(3105,3475) ; U11.6@3258.86,3458.66 v2(3258.86,3478.19)
  Routing w5.91: v2(3105,3475) 3151,3521 3225,3521 3248.72,3497.28 3248.72,3491.52 3258.86,3481.39 v2(3258.86,3478.19)
NetC48_2: C48.2 C49.1 R30.2 U11.4 | length 196
  Top Layer w5.91: U11.4@3258.86,3383.86 3295.35,3383.86 3305.91,3373.31 C48.2@3307.09,3373.31 ; R30.2@3307,3420.84 3307,3373.39 C48.2@3307.09,3373.31 ; C49.1@3400.59,3378.94 3312.72,3378.94 C48.2@3307.09,3373.31
NetC49_3: C49.3 J21.2 R3.1 | length 702.8
  Top Layer w5.91: R3.1@3386.22,3267.72 3386.22,3301.57 3409.89,3325.24 3426.89,3325.24 3430.67,3329.02 3430.67,3346.02 3577.65,3493 3881.11,3493 J21.2@3941.04,3433.07
NetC51_2: C51.2 U4.3 | length 163.1
  Top Layer w5.91: U4.3@1924.25,3202.76 2013.43,3202.76 2064.84,3151.34 C51.2@2066.02,3151.34
NetC55_2: C55.2 R33.1 TP2.TP? | length 148.3
  Top Layer w5.91: R33.1@1656.5,2601.42 1656.99,2601.42 1696.59,2561.81 1701.97,2561.81 C55.2@1709.65,2554.13 1754.56,2554.13 1768.34,2540.35 TP2.TP?@1779.53,2540.35
NetC91_1: C91.1 FB1.2 FB5.2 | length 541.4
  Top Layer w5.91: FB5.2@2244,2549 2244,2532.07 2247.46,2528.61 2251.15,2528.61 C91.1@2304.5,2475.25 2304.5,2492.25 2333.06,2520.81 2385.35,2520.81 2412.33,2547.78 2412.33,2618.06 2370.66,2659.72 2370.66,2671.34 2339.39,2671.34 2327.73,2683 v2(2326,2683) ; FB1.2@2258,2738.99 v2(2289,2739)
  Routing w5.91: v2(2289,2739) 2324.09,2703.91 2324.09,2684.91 v2(2326,2683)
NetC96_3: C96.3 FB7.1 | length 84.7
  Top Layer w5.91: C96.3@2589.37,5009.61 2659.41,5009.61 FB7.1@2669.8,5020
NetC97_1: C97.1 R86.2 | length 57.9
  Top Layer w5.91: C97.1@2804.88,5195 2856.13,5195 2858.13,5197 R86.2@2861.99,5197
NetC97_2: C97.2 C98.2 D21.2 FB7.2 P2.2 | length 582
  Top Layer w5.91: D21.2@2472,5160.26 2710.77,5160.26 C97.2@2745.12,5194.61 ; FB7.2@2770.2,5020 2770.2,5034.76 2745.12,5059.84 C97.2@2745.12,5194.61 ; C98.2@2816,5267 2816,5252.83 2811.47,5248.3 2798.02,5248.3 2745.12,5195.39 C97.2@2745.12,5195 C97.2@2745.12,5194.61
NetC100_1: C100.1 R89.2 | length 65
  Top Layer w5.91: R89.2@2145,5560.98 C100.1@2145,5625.98
NetC100_2: C100.2 P1.SH1 P1.SH2 P1.SH3 P1.SH4 P1.SH5 P1.SH6 | length 527.7
  Top Layer w5.91: P1.SH2@1838.15,5590 1838.15,5643.15 1798.78,5682.52 P1.SH6@1798.78,5696.3 P1.SH5@1897.2,5696.3 ; P1.SH4@1975.94,5696.3 P1.SH3@2074.37,5696.3 ; P1.SH1@2035,5590 2035,5643.15 2074.37,5682.52 P1.SH3@2074.37,5696.3 ; C100.2@2145,5660 2143.82,5660 2107.52,5696.3 P1.SH3@2074.37,5696.3
NetC104_3: C104.3 R10.2 R20.2 | length 153
  Top Layer w5.91: R20.2@2773.15,3524.33 R10.2@2823.15,3524.33 2861.46,3524.33 2884.81,3547.68 C104.3@2916.5,3547.68
NetC107_1: C107.1 S1.6 | length 80.7
  Top Layer w4.23: C107.1@2988.46,2902.56 3039.37,2902.56 3059.06,2882.87 S1.6@3061.02,2882.87
NetC107_2: C107.2 J9.C | length 133.1
  Top Layer w4.23: C107.2@2954.45,2902.56 2962.97,2894.04 2962.97,2886.75 2979.94,2869.78 2988.08,2869.78 2994.48,2863.38 2994.48,2810.9 2991.19,2807.61 2983.65,2807.61 J9.C@2978.04,2802
NetC108_1: C108.1 J6.C | length 355.3
  Top Layer w4.23: C108.1@3216.02,3288 3251,3288 v2(3252,3287) ; v2(3365,3071) 3365,3074.65 3371.02,3080.67 J6.C@3371.02,3101.3
  Routing w1.85: v2(3252,3287) 3282.59,3256.41 3282.59,3113.6 3325.18,3071 v2(3365,3071)
NetC108_2: C108.2 S1.4 | length 451.6
  Top Layer w4.23: S1.4@3061.02,2922.24 3059.81,2922.24 3057,2925.05 3057,3212 3123.3,3278.3 3173.48,3278.3 3178.14,3282.96 3178.14,3288 C108.2@3182,3288
NetC109_2: C109.2 S1.2 | length 48.2
  Top Layer w4.23: S1.2@3118.11,2902.56 C109.2@3166.34,2902.56
NetC110_1: C110.1 R55.2 X3.3 | length 264.6
  Top Layer w5.91: X3.3@1984.33,3417.83 2053.35,3417.83 2074.84,3396.34 C110.1@2076.02,3396.34 2077.2,3396.34 2116.89,3356.65 2116.89,3319.8 2166.02,3270.67 R55.2@2166.02,3270.28
NetC111_1: C111.1 R54.2 X3.1 | length 352.2
  Top Layer w5.91: C111.1@1791.02,3384.33 1792.2,3384.33 1821.69,3354.84 X3.1@1897.72,3354.84 1901.65,3354.84 1986.22,3270.28 R54.2@2096.02,3270.28
NetC112_1: C112.1 S2.2 | length 52.9
  Top Layer w4.23: S2.2@3155.54,2268 3189.17,2268 3201.98,2255.18 C112.1@3201.98,2254
NetC112_2: C112.2 T4.6 | length 57.5
  Top Layer w4.23: C112.2@3236,2254 3236,2307.9 T4.6@3238.51,2310.41
NetD15_C: D15.C R81.2 | length 90.1
  Top Layer w5.91: D15.C@2597.64,4336.97 2597.64,4339.74 2598.79,4339.77 2644.9,4293.66 2654.96,4293.66 R81.2@2662.64,4285.98
NetD28_1: D28.1 P3.2 R19.1 | length 416.7
  Top Layer w5.91: R19.1@3365.87,4158.15 3416.71,4158.15 3425.98,4167.42 3433.13,4167.42 D28.1@3433.86,4168.15 3434.98,4168.15 3477.13,4126 P3.2@3761,4126
NetD29_1: D29.1 P3.4 R42.1 | length 411.7
  Top Layer w5.91: R42.1@3365.87,4058.15 D29.1@3433.86,4058.15 3575.54,4058.15 3579.44,4062.05 3724.95,4062.05 P3.4@3761,4026
NetD30_1: D30.1 P3.6 R46.1 | length 547.1
  Top Layer w5.91: R46.1@3365.87,4008.15 3399.07,4008.15 3407.2,4000.02 D30.1@3433.86,4000.02 3434.98,4000.02 3542.8,3892.2 3760.04,3892.2 3783.12,3915.28 3783.12,3930.95 3806.2,3954.03 3806.2,3971.2 P3.6@3811,3976
NetD31_1: D31.1 pad.39 R4.1 | length 942.3
  Top Layer w3: 3849,4076 3857,4084 v2(3920,4084)
  Top Layer w3.6: pad.39@3811,4076 3849,4076
  Top Layer w5.91: R4.1@3365.87,4106.97 3427.82,4106.97 3432.74,4111.89 D31.1@3433.86,4111.89 3434.98,4111.89 3468,4078.87 v2(3468,4076)
  Routing w5.91: v2(3468,4076) 3651.8,3892.2 3863.54,3892.2 3947.05,3975.71 3947.05,4056.95 v2(3920,4084)
NetD32_1: D32.1 P3.10 R5.2 | length 600.5
  Top Layer w5.91: R5.2@3365.87,4208.15 3419,4208.15 3432.74,4221.89 D32.1@3433.86,4221.89 3434.98,4221.89 3461,4195.87 v2(3461,4193) ; v2(3511,4245) 3553.05,4287.05 3772.75,4287.05 3819.8,4240 3819.8,4212 3811,4203.21 P3.10@3811,4176
  Routing w5.91: v2(3461,4193) 3461,4194 3511,4244 v2(3511,4245)
NetFB4_2: FB4.2 U4.4 | length 54.7
  Top Layer w5.91: FB4.2@1825.04,3256.34 1827.8,3253.58 U4.4@1827.8,3202.76
NetJ1_A: J1.A T5.1 | length 74.6
  Top Layer w4.23: T5.1@2344.65,3170.09 2345.77,3171.2 2375.89,3171.2 J1.A@2406.23,3201.54
NetJ1_C: J1.C U2.13 | length 272.6
  Top Layer w4.23: J1.C@2483.48,3278.79 2488.94,3278.79 2496.6,3286.45 2499.06,3286.45 2565.62,3353.01 2612.06,3353.01 2687.28,3428.23 U2.13@2687.28,3435.12
NetJ3_A: J3.A T4.5 | length 375.7
  Top Layer w4.23: J3.A@2906.5,2260.83 2941.83,2260.83 3031,2350 3224.51,2350 3232.55,2341.96 3234.13,2341.96 3238.51,2337.57 T4.5@3238.51,2336
NetJ3_C: J3.C T6.1 | length 83.5
  Top Layer w4.23: T6.1@2714.57,2258.86 2795.28,2258.86 J3.C@2797.24,2260.83
NetJ14_3: J14.3 R32.1 U1A.41 | length 2120.2
  Top Layer w5.91: U1A.41@2291.1,3901.38 2292.05,3900.43 2292.05,3850.95 v2(2293,3850) ; v2(3494,5353) 3508.04,5367.04 R32.1@3508.04,5389
  Routing w5.91: v2(2293,3850) 2337,3850 2450,3963 2450,4095.23 3494,5139.23 v2(3494,5353)
NetJ30_1: J30.1 R91.1 S1.1 | length 3371.7
  Top Layer w5.91: J30.1@1130,5150 1192.74,5087.26 1200.74,5087.26 v2(1203,5085) ; v2(1798,3997) 1864.64,3997 R91.1@1865.87,3998.23 ; v2(3049.67,2800.67) 3118.11,2869.11 S1.1@3118.11,2882.87
  Gnd w5.91: v2(1203,5085) 1201.19,5083.19 1201.19,4598.59 1673.81,4125.96 1673.81,4115.19 1731.78,4057.22 1737.78,4057.22 v2(1798,3997) 2388.1,3406.9 2453.91,3406.9 2995.32,2865.48 2995.32,2855.01 v2(3049.67,2800.67)
NetJ30_2: J30.2 R90.2 S1.3 | length 3466.8
  Top Layer w4.23: J30.2@1130,5250 1218,5162 v2(1218,5129) ; v2(1800,4034) 1851.64,4034 1856.17,4038.53 1858.33,4038.53 1865.87,4046.06 R90.2@1865.87,4048.23 ; v2(3099,2955) 3118.11,2935.89 S1.3@3118.11,2922.24
  Gnd w3.14: v2(1218,5129) 1218,5093.77 1219.81,5091.96 1219.81,4701.96 1301.41,4620.37 1301.41,4602.59 1383,4521 1400.78,4521 1650.63,4271.14 1650.63,4204.17 1639.76,4193.3 1639.76,4172.24 1710,4102 1732,4102 v2(1800,4034) 1800,4037.21 1858.04,4095.24 2007.76,4095.24 2506,3597 2506,3548 v2(3099,2955)
NetJ31_1: J31.1 R92.1 S2.1 | length 3794.7
  Top Layer w5.91: v2(1801,3953) 1861.09,3953 R92.1@1865.87,3948.23
  Top Layer w10: v2(1731,3935) 1731.69,3935 1749.69,3953 v2(1801,3953) ; S2.1@3155.54,2248.32 3157.35,2248.32 3171.69,2233.98 3179.97,2233.98 v2(3181.44,2232.5)
  Gnd w5.91: J31.1@1130,4905 1130,4850.44 1191.78,4788.66 1191.78,4557.22 1492.76,4256.24 1492.76,4248.25 1639.26,4101.75 1652.25,4101.75 v2(1801,3953)
  Gnd w10: v2(1731,3935) 1731,3609 2338.14,3001.86 2395.81,3001.86 2406.86,2990.81 2406.86,2933.14 3107.5,2232.5 v2(3181.44,2232.5)
NetJ31_2: J31.2 R93.1 S2.3 | length 3694.5
  Top Layer w5.91: v2(1800,3902) 1862.09,3902 R93.1@1865.87,3898.23 ; v2(3127,2331) 3155.54,2302.46 S2.3@3155.54,2287.69
  Gnd w5.91: J31.2@1130,5005 1093.43,4968.43 1093.43,4859.62 1182.38,4770.67 1182.38,4519.62 v2(1800,3902) 1822.2,3879.8 1828.2,3879.8 1848.15,3859.85 1848.15,3833.08 1992.04,3689.19 2012.88,3689.19 2019.12,3695.43 2039.96,3695.43 2348.27,3387.13 2348.27,3109.73 v2(3127,2331)
NetL12_2: L12.2 R26.2 R34.2 R35.2 U7.8 U7.9 U8.1 U8.2 | length 455.3
  Top Layer w4.23: U8.2@2711.61,2533.46 U8.1@2711.61,2513.78 2720.28,2513.78 2744,2490.05 2744,2489.89 2765.51,2468.39 R35.2@2781.69,2468.39 2831.54,2468.39 R26.2@2831.69,2468.54 2884.8,2468.54 L12.2@2886.69,2470.43 2888.13,2469 2911,2469 2921,2479 R34.2@2990.01,2479 2990.01,2481.17 2958,2513.17 2958,2531 2972.44,2545.44 U7.9@2972.44,2572.83 U7.8@2972.44,2592.52
NetP1_1: P1.1 U14.1 | length 121.6
  Top Layer w5.91: P1.1@1987.76,5590.98 1987.76,5544.92 2018.9,5513.78 U14.1@2018.9,5482.28
NetP1_5: P1.5 U14.4 | length 115.5
  Top Layer w5.91: U14.4@1868.9,5482.28 1868.9,5513.78 1885.39,5530.28 P1.5@1885.39,5590.98
NetR4_2: R4.2 U1A.50 | length 928.4
  Top Layer w5.91: U1A.50@2507.64,3999.8 2549.2,3999.8 v2(2564,3985) ; v2(3262,4104) 3328.99,4104 R4.2@3332.99,4108
  Routing w5.91: v2(2564,3985) 2634.65,4055.65 2634.65,4078.72 2699.14,4143.22 3150.08,4143.22 3159.49,4133.81 3232.19,4133.81 v2(3262,4104)
NetR7_2: R7.2 U1A.20 | length 272.4
  Top Layer w5.91: R7.2@1827.32,4295.28 1827.32,4274.61 1838.39,4263.54 1839.64,4263.54 1886.84,4216.34 U1A.20@2054.88,4216.34
NetR8_2: R8.2 U1A.21 | length 249
  Top Layer w5.91: R8.2@1827.32,4245.28 1827.32,4243.11 1873.78,4196.65 U1A.21@2054.88,4196.65
NetR9_2: R9.2 U1A.22 | length 236.4
  Top Layer w5.91: R9.2@1827.32,4195.28 1827.32,4193.11 1843.46,4176.97 U1A.22@2054.88,4176.97